# Altium PCB FSAES-22-E17 Temp Module PCB.PcbDoc (part 3 of 3) (continued)
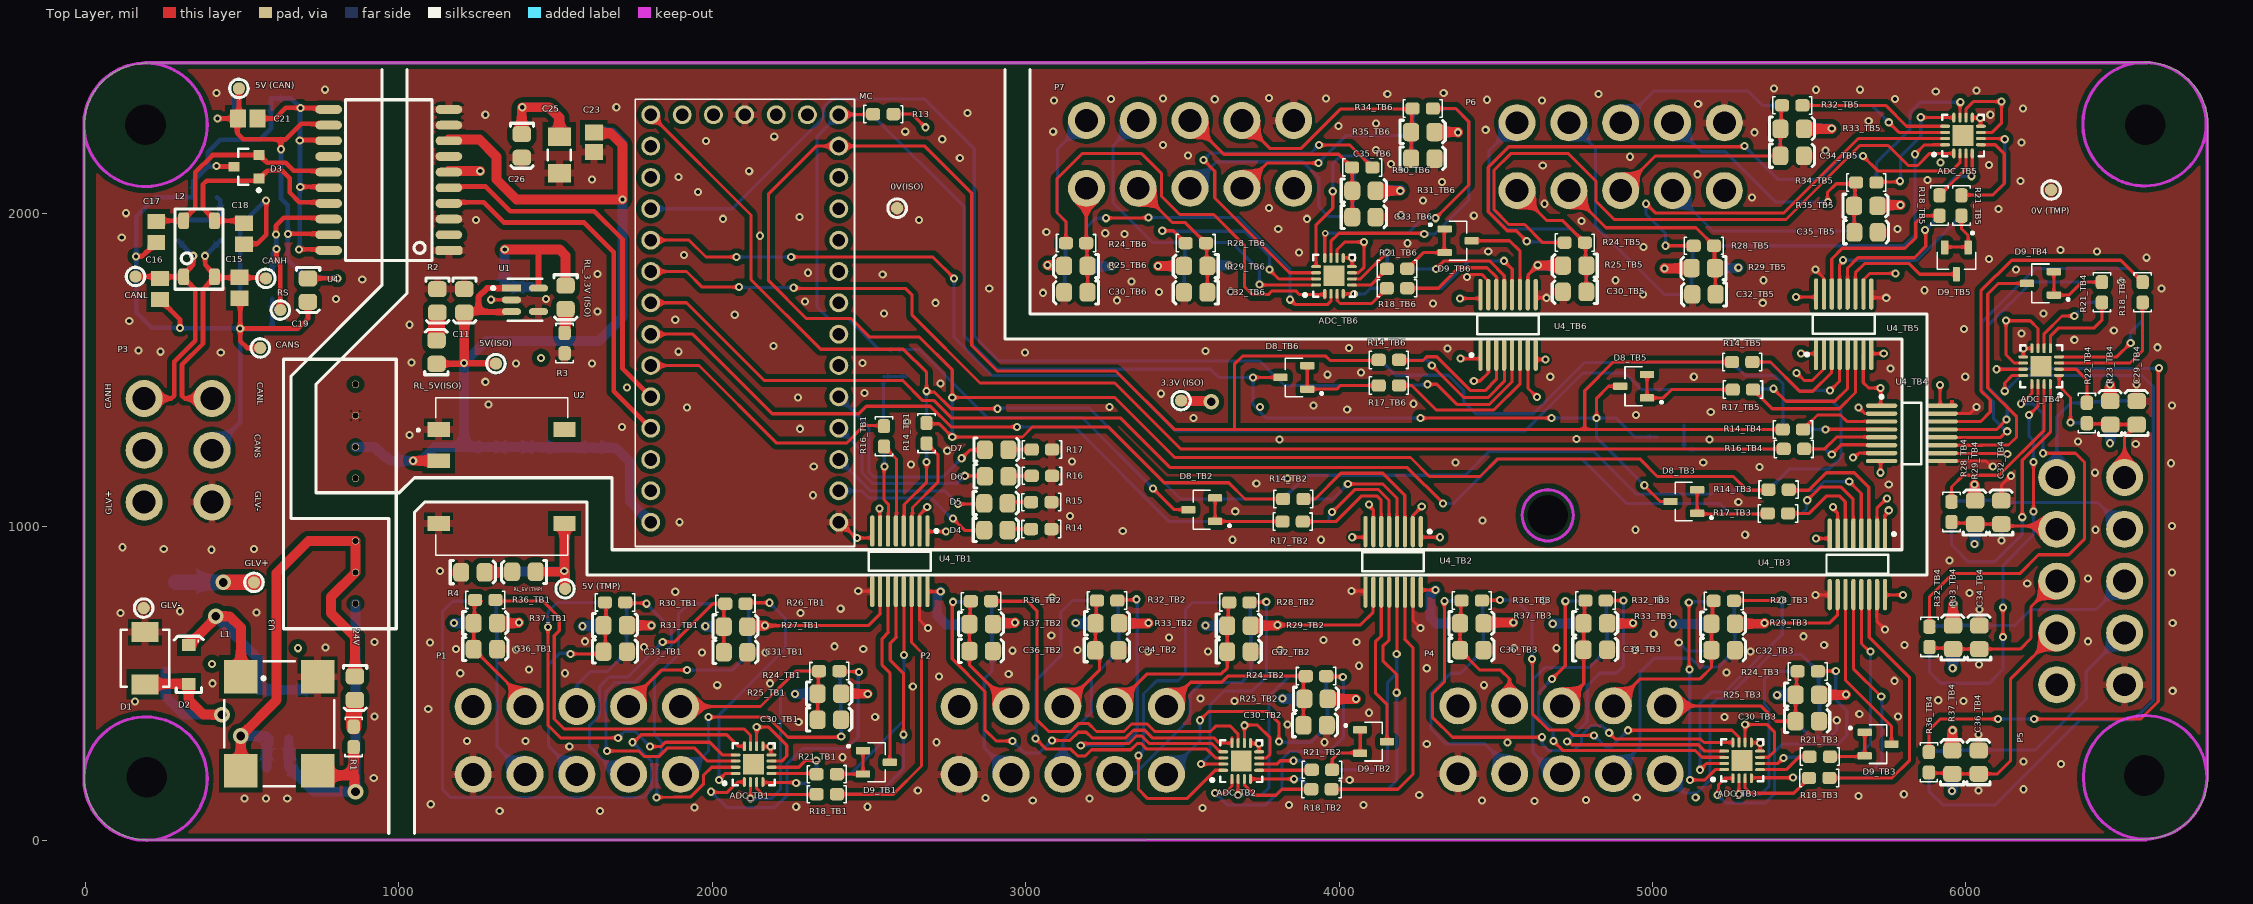
[diagram p0: Top Layer view]
## Nets (pads, with @x,y where several pads share a name; then routed paths per layer and width w, separated by ;. In a path a pad name is that pad's centre, name@x,y a point inside that pad or via, vN(x,y) a via of type N, cw(c..) or ccw(c..) an arc to the next point about the centre after c; other vN are vias at no path point) (continued)
  Bottom Layer w10: R26_TB4.2@5956.46,1081.51 6027.03,1081.51 R27_TB4.1@6029.27,1083.74 C31_TB4.1@6113.27,1083.74 6120.22,1076.79 6421.1,1076.79 P5.3@6506.54,991.35
TempBank4_4: C32_TB4.1 P5.4 R28_TB4.2 R29_TB4.1 | length 345.3
  Top Layer w10: R28_TB4.2@5954.2,1014.32 5957.36,1011.16 6026.1,1011.16 R29_TB4.1@6029.27,1008 C32_TB4.1@6113.27,1008 6119.26,1002 6279.35,1002 P5.4@6290,991.35
TempBank4_5: C33_TB4.1 P5.5 R30_TB4.2 R31_TB4.1 | length 682.8
  Bottom Layer w10: R30_TB4.2@5884,680.48 5886.23,682.71 5956.8,682.71 R31_TB4.1@5959.03,684.94 6156.94,684.94 6207.28,735.28 6415.81,735.28 P5.5@6506.54,826
TempBank4_6: C34_TB4.1 P5.6 R32_TB4.2 R33_TB4.1 | length 557
  Top Layer w10: R32_TB4.2@5884,615.52 5887.16,612.36 5955.87,612.36 R33_TB4.1@5959.03,609.2 C34_TB4.1@6043.03,609.2 6173.2,609.2 6208,644 6208,744 P5.6@6290,826
TempBank4_7: C35_TB4.1 P5.7 R34_TB4.2 R35_TB4.1 | length 833.6
  Bottom Layer w10: R34_TB4.2@5882,280.48 5885.16,283.64 5953.87,283.64 R35_TB4.1@5957.03,286.8 C35_TB4.1@6041.03,286.8 6220.8,286.8 6384,450 6384,538.11 P5.7@6506.54,660.65
TempBank4_8: C36_TB4.1 P5.8 R36_TB4.2 R37_TB4.1 | length 748.8
  Top Layer w10: R36_TB4.2@5882,215.52 5884.23,213.29 5954.8,213.29 R37_TB4.1@5957.03,211.06 C36_TB4.1@6041.03,211.06 6101.06,211.06 6142,252 6142,512.65 P5.8@6290,660.65
TempBank5_1: C29_TB5.1 P6.1 R22_TB5.2 R23_TB5.1 | length 837.2
  Bottom Layer w10: P6.1@4568,2288.54 4478,2198.54 4478,2006 4534,1950 4740.48,1950 4766.84,1923.64 4766.84,1923.31 4784.15,1906 R22_TB5.2@4784.48,1906 ; R22_TB5.2@4784,1892.48 4784,1900 R22_TB5.2@4784,1906 ; R22_TB5.2@4786.71,1903.77 4786.71,1892.48 4786.71,1834.23 R23_TB5.1@4788.94,1832 C29_TB5.1@4788.94,1748.97
TempBank5_2: C30_TB5.1 P6.2 R24_TB5.2 R25_TB5.1 | length 456.6
  Top Layer w10: P6.2@4568,2072 4663.76,1976.24 4714.24,1976.24 4766.84,1923.64 4766.84,1923.31 4784.15,1906 R24_TB5.2@4784.48,1906 ; R24_TB5.2@4786,1890.48 4786,1900.48 R24_TB5.2@4786,1906 ; R24_TB5.2@4786.71,1903.77 4786.71,1890.48 4786.71,1835.26 R25_TB5.1@4788.94,1833.03 C30_TB5.1@4788.94,1749.03
TempBank5_3: C31_TB5.1 P6.3 R26_TB5.2 R27_TB5.1 | length 921.5
  Bottom Layer w10: P6.3@4733.35,2288.54 4737.46,2288.54 4818,2208 4818,1960 5036.97,1741.03 C31_TB5.1@5125.2,1741.03 R27_TB5.1@5125.2,1825.03 5128.36,1828.19 5128.36,1892.84 R26_TB5.2@5131.52,1896
TempBank5_4: C32_TB5.1 P6.4 R28_TB5.2 R29_TB5.1 | length 693.4
  Top Layer w10: P6.4@4733.35,2072 4851.83,1953.52 5138.96,1953.52 5178.84,1913.64 5178.84,1913.31 5194.84,1897.31 5195.17,1897.31 5198.18,1894.3 5198.18,1826.73 R29_TB5.1@5199.87,1825.03 5200.87,1824.03 5200.87,1742.03 C32_TB5.1@5201.87,1741.03
TempBank5_5: C33_TB5.1 P6.5 R30_TB5.2 R31_TB5.1 | length 735.5
  Bottom Layer w10: P6.5@4898.71,2288.54 4902.54,2288.54 5004,2390 5304,2390 5350,2344 R30_TB5.2@5413.52,2344 5410.36,2340.84 5410.36,2274.19 R31_TB5.1@5407.2,2271.03 C33_TB5.1@5407.2,2187.03
TempBank5_6: C34_TB5.1 P6.6 R32_TB5.2 R33_TB5.1 | length 722.6
  Top Layer w10: P6.6@4898.71,2072 5009.68,2182.97 C34_TB5.1@5408.13,2182.97 ; C34_TB5.1@5408.13,2179.03 R33_TB5.1@5408.13,2268.97 5410.82,2271.66 5410.82,2341.3 R32_TB5.2@5413.52,2344
TempBank5_7: C35_TB5.1 P6.7 R34_TB5.2 R35_TB5.1 | length 898.2
  Top Layer w10: v1(5560,2036) 5558,2038 5558,2066 5586.06,2094.06 5645.58,2094.06 R34_TB5.2@5649.52,2098 5646.36,2094.84 5646.36,2026.13 R35_TB5.1@5643.2,2022.97 5643.66,2022.5 5643.66,1939.43 C35_TB5.1@5644.13,1938.97
  Bottom Layer w10: P6.7@5064.06,2288.54 5156.6,2196 5232,2196 5392,2036 v1(5560,2036)
TempBank5_8: C36_TB5.1 P6.8 R36_TB5.2 R37_TB5.1 | length 792.1
  Bottom Layer w10: P6.8@5064.06,2072 5193.03,1943.03 C36_TB5.1@5643.2,1943.03 R37_TB5.1@5643.2,2027.03 5646.36,2030.19 5646.36,2096.84 R36_TB5.2@5649.52,2100
TempBank6_1: C29_TB6.1 P7.1 R22_TB6.2 R23_TB6.1 | length 600.2
  Bottom Layer w10: C29_TB6.1@3125.01,1747.5 R23_TB6.1@3125.01,1830.47 3127.24,1832.7 3127.24,1900.24 R22_TB6.2@3129.48,1902.47 3129.48,1972 3101.48,2000 3101.48,2203.54 P7.1@3193.94,2296
TempBank6_2: C30_TB6.1 P7.2 R24_TB6.2 R25_TB6.1 | length 334
  Top Layer w10: P7.2@3193.94,2079.46 3193.39,2078.92 R24_TB6.2@3193.39,1904.47 3195.62,1902.24 3195.62,1833.74 R25_TB6.1@3197.86,1831.5 C30_TB6.1@3197.86,1747.5
TempBank6_3: C31_TB6.1 P7.3 R26_TB6.2 R27_TB6.1 | length 738.6
  Bottom Layer w10: P7.3@3359.29,2296 3279.37,2216.08 3279.37,2032.63 3405.53,1906.47 R26_TB6.2@3510.43,1906.47 3508.2,1904.24 3508.2,1835.74 R27_TB6.1@3505.97,1833.5 C31_TB6.1@3505.97,1749.5
TempBank6_4: C32_TB6.1 P7.4 R28_TB6.2 R29_TB6.1 | length 447.6
  Top Layer w10: P7.4@3359.29,2079.46 3468.76,1970 3509.87,1970 3557.76,1922.11 3557.76,1921.78 3575.06,1904.47 R28_TB6.2@3575.39,1904.47 3577.62,1902.24 3577.62,1833.74 R29_TB6.1@3579.86,1831.5 C32_TB6.1@3579.86,1747.5
TempBank6_5: C33_TB6.1 P7.5 R30_TB6.2 R31_TB6.1 | length 738
  Top Layer w10: P7.5@3524.65,2296 3632.65,2188 3999.52,2188 4023.88,2163.64 4023.88,2163.31 4041.19,2146 R30_TB6.2@4041.52,2146 ; R31_TB6.1@4041.83,2071.75 R30_TB6.2@4041.83,2145.69 ; C33_TB6.1@4042.14,1987.44 R31_TB6.1@4042.14,2071.44
  Top Layer w19.68: R30_TB6.2@4041.52,2146 R30_TB6.2@4041.83,2145.69 ; R31_TB6.1@4041.83,2071.75 R31_TB6.1@4042.14,2071.44
TempBank6_6: C34_TB6.1 P7.6 R32_TB6.2 R33_TB6.1 | length 831.4
  Bottom Layer w10: P7.6@3524.65,2079.46 3609.18,2164 3883.84,2164 3935.28,2112.57 3935.28,2020.72 3966.5,1989.5 C34_TB6.1@4036.14,1989.5 ; C34_TB6.1@4044.14,1989.5 R33_TB6.1@4044.14,2073.5 ; R33_TB6.1@4046.38,2075.74 R32_TB6.2@4046.38,2144.24
  Bottom Layer w31.5: R33_TB6.1@4044.14,2073.5 R33_TB6.1@4046.38,2075.74 ; R32_TB6.2@4046.38,2144.24 R32_TB6.2@4048.61,2146.47
TempBank6_7: C35_TB6.1 P7.7 R34_TB6.2 R35_TB6.1 | length 792.6
  Top Layer w10: P7.7@3690,2296 3780,2206 3878.38,2206 4004.38,2332 R34_TB6.2@4234.46,2332 ; C35_TB6.1@4230,2174 R35_TB6.1@4230,2258.97 4232.23,2261.2 R34_TB6.2@4232.23,2331.77
TempBank6_8: C36_TB6.1 P7.8 R36_TB6.2 R37_TB6.1 | length 775.7
  Top Layer w10: P7.8@3690,2079.46 3770.54,2160.01 v1(3934,2160.01)
  Bottom Layer w10: v1(3934,2160.01) 4021.29,2247.3 4222.09,2247.3 R37_TB6.1@4233.83,2259.03 ; C36_TB6.1@4234.11,2175.03 R37_TB6.1@4234.11,2259.03 ; R37_TB6.1@4234.11,2259.32 4236.35,2272.81 4236.35,2328.06 R36_TB6.2@4238.58,2332
pads on no net: ADC_TB1.17 ADC_TB2.17 ADC_TB3.17 ADC_TB4.17 ADC_TB5.17 ADC_TB6.17 MC.3.3V_1 MC.4 MC.5 MC.6 MC.7 MC.8 MC.9 MC.10 MC.14 MC.15 MC.G3 MC.ON-OFF MC.PGM MC.VBAT P1.10 P2.10 P3.2 P4.10 P5.10 P6.10 P7.10 U2.8 U3.5 U3.8 U4.2 U4.14

## Polygon pours and split planes (outlines as drawn)
"0V (TMP)" on Bottom Layer "0V_(TMP)_L04_P009" (solid, remove dead copper, pour order 9): 1082,1078 1050,1046 1050,0 6566.37,0 ccw(c6566.37,207.63) 6774,207.63 6774,2290 ccw(c6584,2290) 6584,2480 3014,2480 3014,1678 5876,1678 5876,846 1600,846 1600,1078
G1 on Bottom Layer "G1_L04_P010" (solid, pour order 10): 736,1108 1002,1108 1049.99,1155.99 1680,1156.01 1680,926 5782,926 5782,1598 2934,1598 2934,2480 1024,2480 1024,1742 736,1454
GLV- on Bottom Layer "GLV-_L04_P011" (solid, remove dead copper, pour order 11): 0,196.46 ccw(c196.18,196.46) 196.18,0.28 212,0 968,0 968,1026 656,1026 656,1480 946,1770 946,2480 197.35,2480 ccw(c197.34,2282.66) 0,2282.65
"0V (TMP)" on Top Layer "0V_(TMP)_L01_P007" (solid, remove dead copper, pour order 7): 1082,1078 1050,1046 1050,-2 6562.48,-2 ccw(c6562.48,209.52) 6774,209.52 6774,234 6774,2254.43 6774,2294.43 ccw(c6590.33,2294.44) 6590.32,2478.11 3014,2478.11 3014,1678 5876,1678 5876,846 1600,846 1600,1078
G1 on Top Layer "G1_L01_P006" (solid, pour order 6): 736,1108 1002,1108 1050,1156 1680,1156 1680,926 5796,926 5796,1598 2934,1598 2934,2476 1026,2476 1026,1744 736,1454
GLV- on Top Layer "GLV-_L01_P008" (solid, remove dead copper, pour order 8): 225.99,3.67 cw(c225.98,195.92) 33.73,195.93 33.99,209.67 33.99,2286.32 cw(c231.34,2286.32) 231.34,2483.67 946,2483.67 946,1770 656,1480 656,1026 968,1026 968,3.67
GLV+ on Int 2 (PWR) (split plane): 910.85,1776.5 644.18,1509.82 639.76,1504.88 635.92,1499.47 632.71,1493.66 630.17,1487.54 628.33,1481.16 627.22,1474.62 626.85,1468 626.85,1052 627.22,1045.38 628.33,1038.84 630.17,1032.46 632.71,1026.34 635.92,1020.53 639.76,1015.12 644.18,1010.18 649.12,1005.76 654.53,1001.92 660.34,998.71 666.46,996.17 672.84,994.33 679.38,993.22 686,992.85 942.85,992.85 942.85,20.42 202.08,20.08 201.77,20.18 201.76,20.18 199.83,20.37 197.85,20.57 197.84,20.56 197.84,20.57 197.22,20.5 196,20.46 184.26,20.85 172.57,22 160.97,23.91 149.53,26.58 138.29,29.99 127.29,34.13 116.59,38.98 106.23,44.52 96.26,50.72 86.71,57.56 77.62,65.02 69.05,73.05 61.02,81.62 53.56,90.71 46.72,100.26 40.52,110.23 34.98,120.59 30.13,131.29 25.99,142.29 22.58,153.53 19.91,164.97 18,176.57 16.85,188.26 16.49,199.29 16.56,200 16.13,2276.83 16.07,2277.45 16.03,2278.67 16.41,2290.41 17.56,2302.11 19.48,2313.7 22.14,2325.14 25.55,2336.38 29.69,2347.38 34.54,2358.08 40.08,2368.44 46.28,2378.42 53.13,2387.97 60.58,2397.05 68.61,2405.62 77.19,2413.66 86.27,2421.11 95.82,2427.95 105.8,2434.16 116.16,2439.69 126.86,2444.54 137.85,2448.68 149.1,2452.09 160.54,2454.76 172.13,2456.67 183.82,2457.82 194.86,2458.19 195.56,2458.12 195.57,2458.12 910.85,2458.54
"5V (TMP)" on Int 2 (PWR) (split plane): 6584.41,2461.59 6596.1,2460.44 6607.69,2458.52 6619.13,2455.86 6630.38,2452.45 6641.37,2448.31 6652.07,2443.46 6662.43,2437.92 6672.41,2431.72 6681.96,2424.87 6691.04,2417.42 6699.62,2409.39 6707.65,2400.82 6715.1,2391.73 6721.94,2382.18 6728.15,2372.21 6733.69,2361.85 6738.53,2351.15 6742.67,2340.15 6746.08,2328.91 6748.75,2317.47 6750.67,2305.88 6751.82,2294.18 6752.13,2284.71 6751.9,2282.45 6751.83,207.45 6751.85,207.26 6751.9,206.81 6751.94,205.57 6751.55,193.62 6750.37,181.73 6748.43,169.93 6745.71,158.29 6742.24,146.86 6738.03,135.67 6733.1,124.78 6727.46,114.24 6721.15,104.09 6714.19,94.37 6706.61,85.13 6698.44,76.41 6689.71,68.24 6680.47,60.65 6670.76,53.69 6660.6,47.38 6650.06,41.74 6639.18,36.81 6627.99,32.6 6616.55,29.13 6604.91,26.42 6593.12,24.47 6581.22,23.3 6569.99,22.93 6569.27,23 6569.26,23 1061.15,20.48 1061.15,1029.5 1087.82,1056.17 1093.38,1055.22 1100,1054.85 1620.85,1054.85 1620.85,870 1621.22,863.38 1622.33,856.84 1624.17,850.46 1626.71,844.34 1629.92,838.53 1633.76,833.12 1638.18,828.18 1643.12,823.76 1648.53,819.92 1654.34,816.71 1660.46,814.17 1666.84,812.33 1673.38,811.22 1680,810.85 5846,810.85 5852.62,811.22 5859.16,812.33 5865.54,814.17 5871.66,816.71 5877.47,819.92 5882.88,823.76 5887.82,828.18 5892.24,833.12 5896.08,838.53 5899.29,844.34 5901.83,850.46 5903.67,856.84 5904.78,863.38 5905.15,870 5904.78,876.62 5903.67,883.16 5901.83,889.54 5899.98,894 5901.83,898.46 5903.67,904.84 5904.78,911.38 5905.15,918 5905.15,1634 5904.78,1640.62 5903.67,1647.16 5901.83,1653.54 5899.29,1659.66 5896.08,1665.47 5892.24,1670.88 5887.82,1675.82 5882.88,1680.24 5877.47,1684.08 5871.66,1687.29 5865.54,1689.83 5859.16,1691.67 5852.62,1692.78 5846,1693.15 3013.15,1693.15 3013.15,2459.78 6570.82,2461.87 6570.83,2461.87 6571.45,2461.93 6572.67,2461.97
"3.3V (ISO)" on Int 2 (PWR) (split plane): 2894.85,1634 2895.22,1627.38 2896.33,1620.84 2898.17,1614.46 2900.71,1608.34 2903.92,1602.53 2907.76,1597.12 2912.18,1592.18 2917.12,1587.76 2922.53,1583.92 2928.34,1580.71 2934.46,1578.17 2940.84,1576.33 2947.38,1575.22 2954,1574.85 5786.85,1574.85 5786.85,929.15 1739.15,929.15 1739.15,1114 1738.78,1120.62 1737.67,1127.16 1735.83,1133.54 1733.29,1139.66 1730.08,1145.47 1726.24,1150.88 1721.82,1155.82 1716.88,1160.24 1711.47,1164.08 1705.66,1167.29 1699.54,1169.83 1693.16,1171.67 1686.62,1172.78 1680,1173.15 1100,1173.15 1093.38,1172.78 1086.84,1171.67 1081,1169.98 1075.16,1171.67 1068.62,1172.78 1062,1173.15 1055.38,1172.78 1048.84,1171.67 1042.46,1169.83 1036.34,1167.29 1030.53,1164.08 1025.12,1160.24 1020.18,1155.82 975.5,1111.15 745.15,1111.15 745.15,1443.5 1011.82,1710.18 1016.24,1715.12 1020.08,1720.53 1023.29,1726.34 1025.83,1732.46 1027.67,1738.84 1028.78,1745.38 1029.15,1752 1029.15,2455.22 2894.85,2455.22
GLV- on Int 1 (GND) (split plane): 910.85,1784.5 646.18,1519.82 641.76,1514.88 637.92,1509.47 634.71,1503.66 632.17,1497.54 630.33,1491.16 629.22,1484.62 628.85,1478 628.99,1475.45 628.33,1473.16 627.22,1466.62 626.85,1460 626.85,1054 627.22,1047.38 628.33,1040.84 630.17,1034.46 632.71,1028.34 635.92,1022.53 639.76,1017.12 644.18,1012.18 649.12,1007.76 654.53,1003.92 660.34,1000.71 666.46,998.17 672.84,996.33 679.38,995.22 686,994.85 946.85,994.85 946.85,20.43 202.08,20.08 201.77,20.18 201.76,20.18 199.83,20.37 197.85,20.57 197.84,20.56 197.84,20.57 197.22,20.5 196,20.46 184.26,20.85 172.57,22 160.97,23.91 149.53,26.58 138.29,29.99 127.29,34.13 116.59,38.98 106.23,44.52 96.26,50.72 86.71,57.56 77.62,65.02 69.05,73.05 61.02,81.62 53.56,90.71 46.72,100.26 40.52,110.23 34.98,120.59 30.13,131.29 25.99,142.29 22.58,153.53 19.91,164.97 18,176.57 16.85,188.26 16.49,199.29 16.56,200 16.13,2276.83 16.07,2277.45 16.03,2278.67 16.41,2290.41 17.56,2302.11 19.48,2313.7 22.14,2325.14 25.55,2336.38 29.69,2347.38 34.54,2358.08 40.08,2368.44 46.28,2378.42 53.13,2387.97 60.58,2397.05 68.61,2405.62 77.19,2413.66 86.27,2421.11 95.82,2427.95 105.8,2434.16 116.16,2439.69 126.86,2444.54 137.85,2448.68 149.1,2452.09 160.54,2454.76 172.13,2456.67 183.82,2457.82 194.86,2458.19 195.56,2458.12 195.57,2458.12 910.85,2458.54
"0V (TMP)" on Int 1 (GND) (split plane): 6584.41,2461.59 6596.1,2460.44 6607.69,2458.52 6619.13,2455.86 6630.38,2452.45 6641.37,2448.31 6652.07,2443.46 6662.43,2437.92 6672.41,2431.72 6681.96,2424.87 6691.04,2417.42 6699.62,2409.39 6707.65,2400.82 6715.1,2391.73 6721.94,2382.18 6728.15,2372.21 6733.69,2361.85 6738.53,2351.15 6742.67,2340.15 6746.08,2328.91 6748.75,2317.47 6750.67,2305.88 6751.82,2294.18 6752.13,2284.71 6751.9,2282.45 6751.83,207.45 6751.85,207.26 6751.9,206.81 6751.94,205.57 6751.55,193.62 6750.37,181.73 6748.43,169.93 6745.71,158.29 6742.24,146.86 6738.03,135.67 6733.1,124.78 6727.46,114.24 6721.15,104.09 6714.19,94.37 6706.61,85.13 6698.44,76.41 6689.71,68.24 6680.47,60.65 6670.76,53.69 6660.6,47.38 6650.06,41.74 6639.18,36.81 6627.99,32.6 6616.55,29.13 6604.91,26.42 6593.12,24.47 6581.22,23.3 6569.99,22.93 6569.27,23 6569.26,23 1065.15,20.48 1065.15,1033.5 1088.5,1056.85 1574.85,1056.85 1574.85,874 1575.22,867.38 1576.33,860.84 1578.17,854.46 1580.71,848.34 1583.92,842.53 1587.76,837.12 1592.18,832.18 1597.12,827.76 1602.53,823.92 1608.34,820.71 1614.46,818.17 1620.84,816.33 1627.38,815.22 1634,814.85 5880,814.85 5886.62,815.22 5893.16,816.33 5899.54,818.17 5905.66,820.71 5911.47,823.92 5916.88,827.76 5921.82,832.18 5926.24,837.12 5930.08,842.53 5933.29,848.34 5935.83,854.46 5937.67,860.84 5938.78,867.38 5939.15,874 5939.15,1630 5938.78,1636.62 5937.67,1643.16 5935.83,1649.54 5933.29,1655.66 5930.08,1661.47 5926.24,1666.88 5921.82,1671.82 5916.88,1676.24 5911.47,1680.08 5905.66,1683.29 5899.54,1685.83 5893.16,1687.67 5886.62,1688.78 5880,1689.15 3015.15,1689.15 3015.15,2459.78 6570.82,2461.87 6570.83,2461.87 6571.45,2461.93 6572.67,2461.97
G1 on Int 1 (GND) (split plane): 2896.85,1642 2897.22,1635.38 2898.33,1628.84 2900.17,1622.46 2902.71,1616.34 2905.92,1610.53 2909.76,1605.12 2914.18,1600.18 2919.12,1595.76 2920.66,1594.66 2921.76,1593.12 2926.18,1588.18 2931.12,1583.76 2936.53,1579.92 2942.34,1576.71 2948.46,1574.17 2954.84,1572.33 2961.38,1571.22 2968,1570.85 5820.85,1570.85 5820.85,933.15 1693.15,933.15 1693.15,1116 1692.78,1122.62 1691.67,1129.16 1689.83,1135.54 1687.29,1141.66 1684.08,1147.47 1680.24,1152.88 1675.82,1157.82 1670.88,1162.24 1665.47,1166.08 1659.66,1169.29 1653.54,1171.83 1647.16,1173.67 1640.62,1174.78 1634,1175.15 1064,1175.15 1057.38,1174.78 1051.79,1173.83 1050.84,1173.67 1044.46,1171.83 1041.93,1170.78 1038.34,1169.29 1035.74,1167.86 1032.53,1166.08 1027.12,1162.24 1022.18,1157.82 977.5,1113.15 745.15,1113.15 745.15,1451.5 1011.82,1718.18 1016.24,1723.12 1020.08,1728.53 1023.29,1734.34 1025.83,1740.46 1027.67,1746.84 1028.78,1753.38 1029.15,1760 1029.15,2458.61 2896.85,2459.71

## Keep-outs
Keep-Out Layer:
  circle w10: c4666,1036 r81.63
  circle w10: c192,196 r196.85
  circle w10: c192,2282 r196.85
  circle w10: c6570,2284 r196.85
  circle w10: c6572,200 r196.85
  lines w10: -4,188 -4,2288 ; 180,0 6576,0 ; 190,2480 6580,2480 ; 6768.85,200 6768.85,2282

## Other copper
Int 1 (GND) (plane layer: these items are gaps in the copper):
  lines w39.37: 686,1460 688,1462 688,1478 ; 966,2480 970,2476 ; 998,-4 998,1054 ; 2956,1642 2968,1630
  lines w118.11: 686,1460 686,1054 998,1054 ; 688,1478 970,1760 970,2476 ; 1002,1054 1064,1116 1634,1116 1634,874 5880,874 5880,1630 2968,1630 ; 1006,4 1006,1046 ; 2956,1642 2956,2478
Int 2 (PWR) (plane layer: these items are gaps in the copper):
  lines w39.37: 970,2470 980,2480 ; 975,2475 2954,2475 ; 1062,1114 1100,1114 ; 5846,870 5846,918
  lines w118.11: 970,2470 970,1752 686,1468 686,1052 1002,1052 1002,-12 ; 1000,1052 1062,1114 ; 1100,1114 1680,1114 1680,870 5846,870 ; 2954,2475 2954,1634 5846,1634 5846,918

## Silkscreen, mask and mechanical layers (free items; w line width, h text height)
Top Overlay:
  lines w10: 946,2458.85 946,1770 656,1480 656,1026 968,1026 ; 968,21.15 968,1026 ; 1026,2458.85 1026,1744 ; 1050,21.15 1050,1046 1082,1078 1600,1078 ; 2934,2458.85 2934,1598 5796,1598 5796,926 1680,926 1680,1156.01 1050.01,1156.01 ; 3014,2458.85 3014,1678 5876,1678 ; 968,1026 968,1026 ; 1026,1744 1026,1744 ; 1026,1744 736,1454 736,1108 1002,1108 1049.99,1155.99 ; 1049.99,1155.99 1050.01,1156.01 ; 1600,1077.99 1600,846 5876,846 ; 1600,1078 1600,1077.99 ; 5876,846 5876,1678 ; 5876,846 5876,846 ; 5876,1678 5876,1678
  text "CANL" at 547.91,1460.09 h19.68 r270
  text "CANH" at 82.09,1375.91 h19.68 r90
  text "CANS" at 539.91,1294.09 h19.68 r270
  text "GLV-" at 541.91,1112.09 h19.68 r270
  text "GLV+" at 84.09,1037.91 h19.68 r90
Bottom Overlay:
  drawing of 55 lines, arcs and shapes, not listed
  text "1" at 3171.91,2388.09 h19.68 r180
  text "3" at 3327.91,2388.09 h19.68 r180
  text "5" at 3499.91,2388.09 h19.68 r180
  text "7" at 3665.91,2388.09 h19.68 r180
  text "0V (TMP)" at 3767.91,2388.09 h19.68 r180
  text "1" at 4551.91,2386.09 h19.68 r180
  text "3" at 4707.91,2386.09 h19.68 r180
  text "5" at 4879.91,2386.09 h19.68 r180
  text "7" at 5045.91,2386.09 h19.68 r180
  text "0V (TMP)" at 5147.91,2386.09 h19.68 r180
  text "2" at 3183.91,1996.09 h19.68 r180
  text "4" at 3343.91,1996.09 h19.68 r180
  text "6" at 3499.91,1996.09 h19.68 r180
  text "8" at 3671.91,1996.09 h19.68 r180
  text "2" at 4563.91,1994.09 h19.68 r180
  text "4" at 4723.91,1994.09 h19.68 r180
  text "6" at 4879.91,1994.09 h19.68 r180
  text "8" at 5051.91,1994.09 h19.68 r180
  text "Formula SAE" at 2138.94,1641.36 h70 r270
  text "27/06/2023 - N.N & N.T" at 2061.06,1634 h40 r270
  text "Temp Expansion Module R0" at 2100,1634 h40 r270
  text "Team Swinburne" at 2193.94,1201.36 h120 r270
  text "1" at 6604.09,1174.09 h19.68 r90
  text "2" at 6212.09,1162.09 h19.68 r90
  text "3" at 6604.09,1018.09 h19.68 r90
  text "4" at 6212.09,1002.09 h19.68 r90
  text "6" at 6212.09,846.09 h19.68 r90
  text "5" at 6604.09,846.09 h19.68 r90
  text "7" at 6604.09,680.09 h19.68 r90
  text "8" at 6212.09,674.09 h19.68 r90
  text "0V (TMP)" at 6604.09,578.09 h19.68 r90
  text "8" at 2954.09,501.91 h19.68
  text "6" at 3126.09,501.91 h19.68
  text "4" at 3282.09,501.91 h19.68
  text "2" at 3442.09,501.91 h19.68
  text "8" at 4550.09,501.91 h19.68
  text "6" at 4722.09,501.91 h19.68
  text "4" at 4878.09,501.91 h19.68
  text "2" at 5038.09,501.91 h19.68
  text "8" at 1412.09,499.91 h19.68
  text "6" at 1584.09,499.91 h19.68
  text "4" at 1740.09,499.91 h19.68
  text "2" at 1900.09,499.91 h19.68
  text "0V (TMP)" at 2858.09,109.91 h19.68
  text "7" at 2960.09,109.91 h19.68
  text "5" at 3126.09,109.91 h19.68
  text "3" at 3298.09,109.91 h19.68
  text "1" at 3454.09,109.91 h19.68
  text "0V (TMP)" at 4454.09,109.91 h19.68
  text "7" at 4556.09,109.91 h19.68
  text "5" at 4722.09,109.91 h19.68
  text "3" at 4894.09,109.91 h19.68
  text "1" at 5050.09,109.91 h19.68
  text "0V (TMP)" at 1316.09,107.91 h19.68
  text "7" at 1418.09,107.91 h19.68
  text "5" at 1584.09,107.91 h19.68
  text "3" at 1756.09,107.91 h19.68
  text "1" at 1912.09,107.91 h19.68
Mechanical 1:
  lines w39.37: -4,200 -3.97,2276.83 ; -3.54,200 ccw(c196,200) 197.85,0.47 ; 195.56,2478.21 6570.82,2481.97 ; 197.85,-0.01 6569.27,2.9 ccw(c6569.27,205.57) 6771.93,207.45 6772,2282.44 ; 6570.82,2481.98 cw(c6572.66,2282.44) 6772.21,2282.44
Drill Drawing:
  circle w10: c79.04,3399.33 r33.33
  lines w10: 45.71,3066 45.71,3082.67 62.37,3099.33 45.71,3116 45.71,3132.67 62.37,3132.67 79.04,3116 95.71,3132.67 112.37,3132.67 112.37,3116 95.71,3099.33 112.37,3082.67 112.37,3066 95.71,3066 79.04,3082.67 62.37,3066 45.71,3066 ; 45.71,3216 112.37,3216 112.37,3282.67 45.71,3282.67 45.71,3216 ; 45.71,3532.67 62.37,3532.67 79.04,3516 95.71,3532.67 112.37,3532.67 95.71,3549.33 112.37,3566 95.71,3566 79.04,3582.67 62.37,3566 45.71,3566 62.37,3549.33 45.71,3532.67 ; 45.71,3732.67 112.37,3732.67 79.04,3666 45.71,3732.67 ; 45.71,3816 79.04,3832.67 112.37,3816 95.71,3849.33 112.37,3882.67 79.04,3866 45.71,3882.67 62.37,3849.33 45.71,3816 ; 45.71,3982.67 62.37,3982.67 62.37,3966 95.71,3966 95.71,3982.67 112.37,3982.67 112.37,4016 95.71,4016 95.71,4032.67 62.37,4032.67 62.37,4016 45.71,4016 45.71,3982.67
  lines w15: -14.08,3021 10666.95,3021 ; -14.08,4071 10666.95,4071 ; 536.79,2871 536.79,4221 ; 1126.64,2871 1126.64,4221 ; 2276.3,2871 2276.3,4221 ; 2782.18,2871 2782.18,4221 ; 3515.98,2871 3515.98,4221 ; 5015.53,2871 5015.53,4221 ; 5605.38,2871 5605.38,4221 ; 6351.17,2871 6351.17,4221 ; 7100.97,2871 7100.97,4221 ; 7954.73,2871 7954.73,4221 ; 9288.34,2871 9288.34,4221 ; -14.08,2871 10666.95,2871 10666.95,4221 -14.08,4221 -14.08,2871
  text "Symbol" at 75.92,4116 h72
  text "Count" at 581.79,4116 h72
  text "Hole Size" at 1171.64,4116 h72
  text "Plated" at 2321.3,4116 h72
  text "Hole Type" at 2827.18,4116 h72
  text "Drill Layer Pair" at 3560.98,4116 h72
  text "Via/Pad" at 5060.53,4116 h72
  text "Pad Shape" at 5650.38,4116 h72
  text "Template" at 6396.17,4116 h72
  text "Description" at 7145.97,4116 h72
  text "Hole Tolerance (+)" at 7999.73,4116 h72
  text "Hole Tolerance (-)" at 9333.34,4116 h72
  text "1" at 581.79,3966 h60
  text "0.250mm (9.84mil)" at 1171.64,3966 h60
  text "PTH" at 2321.3,3966 h60
  text "Round" at 2827.18,3966 h60
  text "Top Layer - Bottom Layer" at 3560.98,3966 h60
  text "Via" at 5060.53,3966 h60
  text "Rounded" at 5650.38,3966 h60
  text "v55h25m0mx0" at 6396.17,3966 h60
  text "5" at 581.79,3816 h60
  text "3.300mm (129.92mil)" at 1171.64,3816 h60
  text "PTH" at 2321.3,3816 h60
  text "Round" at 2827.18,3816 h60
  text "Top Layer - Bottom Layer" at 3560.98,3816 h60
  text "Pad" at 5060.53,3816 h60
  text "Rounded" at 5650.38,3816 h60
  text "(Mixed)" at 6396.17,3816 h60
  text "6" at 581.79,3666 h60
  text "0.711mm (28.00mil)" at 1171.64,3666 h60
  text "PTH" at 2321.3,3666 h60
  text "Round" at 2827.18,3666 h60
  text "Top Layer - Bottom Layer" at 3560.98,3666 h60
  text "Via" at 5060.53,3666 h60
  text "Rounded" at 5650.38,3666 h60
  text "(Mixed)" at 6396.17,3666 h60
  text "7" at 581.79,3516 h60
  text "0.500mm (19.69mil)" at 1171.64,3516 h60
  text "PTH" at 2321.3,3516 h60
  text "Round" at 2827.18,3516 h60
  text "Top Layer - Bottom Layer" at 3560.98,3516 h60
  text "Pad" at 5060.53,3516 h60
  text "Rounded" at 5650.38,3516 h60
  text "c60h50" at 6396.17,3516 h60
  text "33" at 581.79,3366 h60
  text "1.020mm (40.16mil)" at 1171.64,3366 h60
  text "PTH" at 2321.3,3366 h60
  text "Round" at 2827.18,3366 h60
  text "Top Layer - Bottom Layer" at 3560.98,3366 h60
  text "Pad" at 5060.53,3366 h60
  text "Rounded" at 5650.38,3366 h60
  text "c153h102" at 6396.17,3366 h60
  text "66" at 581.79,3216 h60
  text "1.850mm (72.84mil)" at 1171.64,3216 h60
  text "PTH" at 2321.3,3216 h60
  text "Round" at 2827.18,3216 h60
  text "Top Layer - Bottom Layer" at 3560.98,3216 h60
  text "Pad" at 5060.53,3216 h60
  text "Rounded" at 5650.38,3216 h60
  text "c300h185" at 6396.17,3216 h60
  text "583" at 581.79,3066 h60
  text "0.330mm (12.99mil)" at 1171.64,3066 h60
  text "PTH" at 2321.3,3066 h60
  text "Round" at 2827.18,3066 h60
  text "Top Layer - Bottom Layer" at 3560.98,3066 h60
  text "Via" at 5060.53,3066 h60
  text "Rounded" at 5650.38,3066 h60
  text "(Mixed)" at 6396.17,3066 h60
  text "701 Total" at 581.79,2916 h60
  text "FABRICATION NOTES" at 7028.05,2563.28 h118.11
  text "1. QUANTITY: 5" at 7028.05,2362.64 h118.11
  text "2. SIZE:" at 7028.05,2161.99 h118.11
  text "3. LAYERS: 4" at 7028.05,1961.34 h118.11
  text "4. SIGNAL LAYERS: 1,4" at 7028.05,1800.05 h118.11
  text "a) WEIGHT: 1oz" at 7224.9,1560.05 h118.11
  text "5. SOLDER MASKS: Blue" at 7028.05,1312.44 h118.11
  text "6. SILKSCREEN: White" at 7028.05,1111.8 h118.11
  text "7. SURFACE FINISH: ENIG" at 7028.05,911.15 h118.11
  text "8. FINISHED COPPER: 2oz Cu" at 7028.05,710.51 h118.11
  text "9. TOTAL THICKNESS: 1.6mm" at 7028.05,509.86 h118.11
  text "CHECK CUTOUT ARE ROUTED CORRECTED (DEFINED ON KEEPOUT LAYER)" at 7004.06,-171.84 h118.11

## Text inside footprints (layer, text, board x,y; h text height)
MC: Mechanical 13 "GND" at 2579,1024 h32 r180; Bottom Overlay "GND" at 2334,990 h32